# KiCad board hologram v3.kicad_pcb (continued)
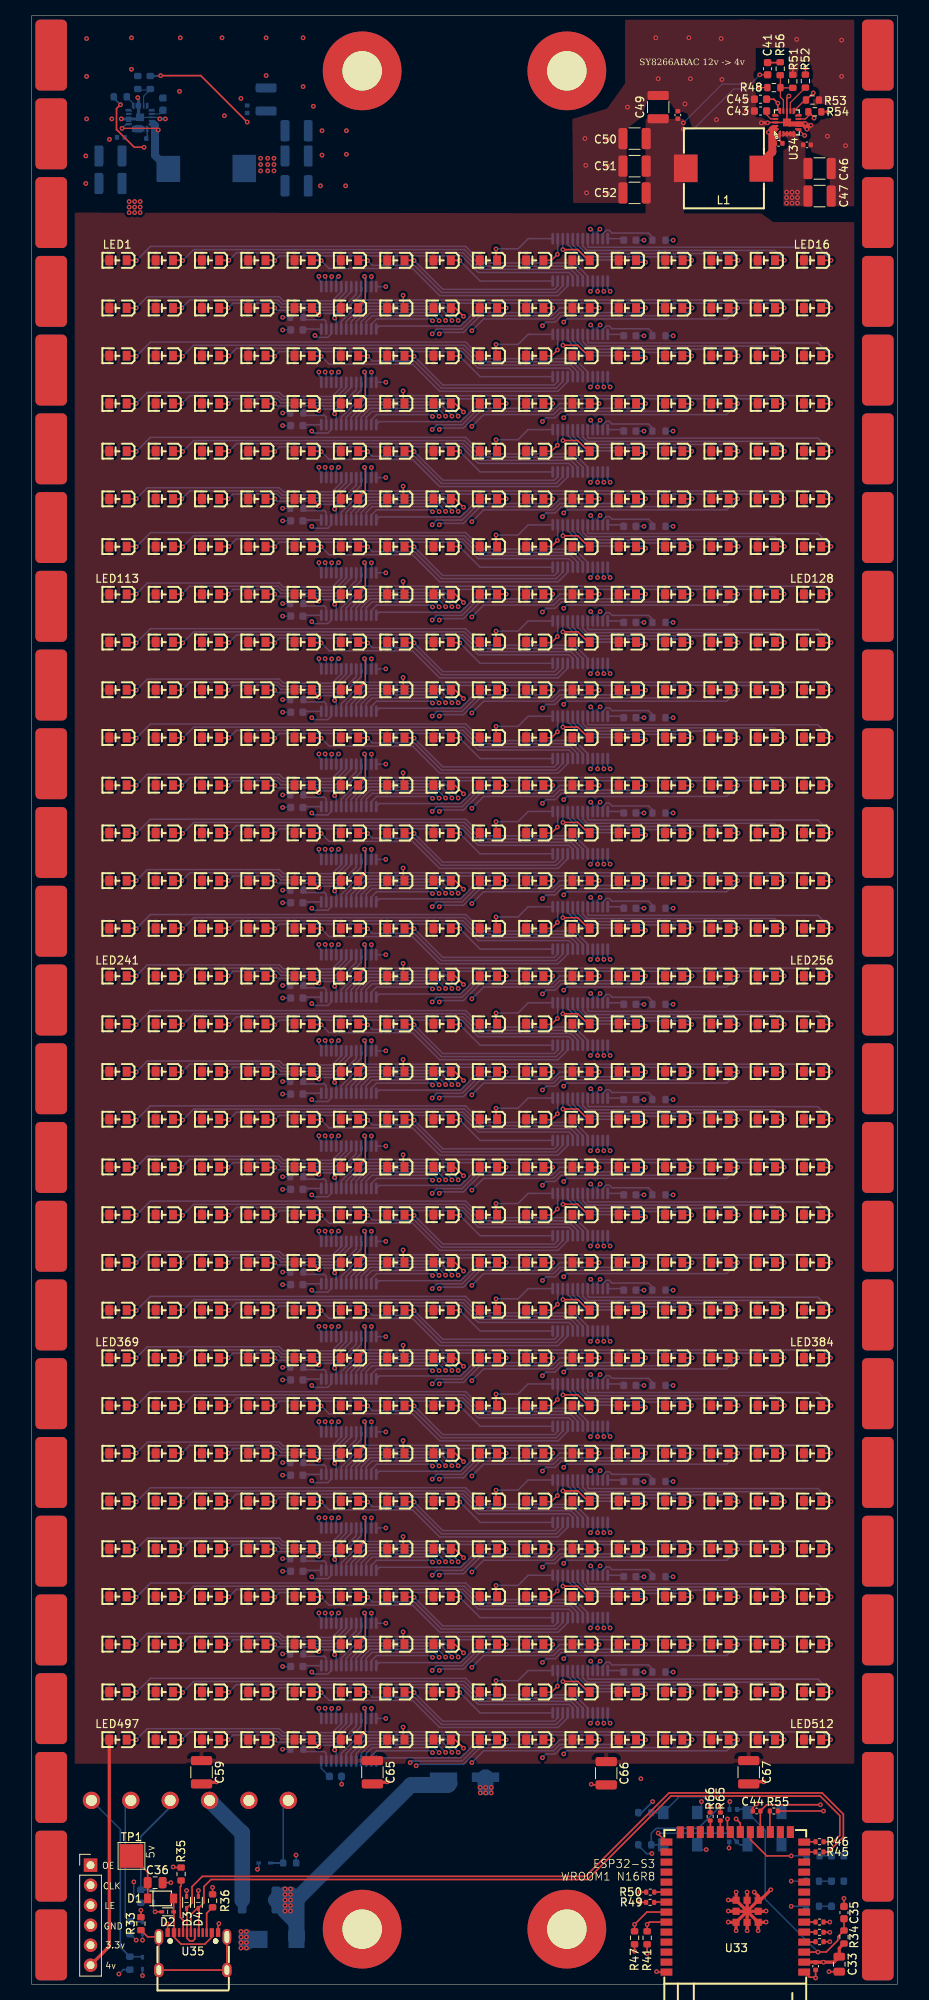
[diagram p0: board, top side]
## Routing (per net, layer and track width the routed paths; a pad name or vN(x,y) marks a point on that pad's centre or on a via; arc(x,y) is an arc through that point) (continued)
Net-(LED252-K): length 41.1
  Top w0.2: v1(78,128.05) 77.98,128.03 76.64,128.03
  In4.Cu w0.2: v1(55.93,125.15) 53.8,125.15 52.6,126.35 v1(52.6,126.45)
  Bottom w0.2: v1(52.6,126.45) 51.6,127.45 43.03,127.45 41.89,126.31 U16.16 ; v1(55.93,125.15) 57.43,126.65 66.3,126.65 67.1,127.45 77.4,127.45 v1(78,128.05)
Net-(LED253-K): length 47.5
  Top w0.2: v1(83.9,128.05) 83.88,128.03 82.52,128.03
  In4.Cu w0.2: v1(64.9,125.78) 64.85,125.83 53.97,125.83 53.4,126.4 v1(53.4,126.45)
  Bottom w0.2: v1(64.9,125.78) 65.38,126.25 66.5,126.25 67.3,127.05 82.9,127.05 v1(83.9,128.05) ; U16.17 41.25,126.31 42.79,127.85 52.1,127.85 53.42,126.53 53.42,126.48 v1(53.4,126.45)
Net-(LED254-K): length 53.8
  Top w0.2: 88.4,128.03 89.68,128.03 v1(89.7,128.05)
  In4.Cu w0.2: v1(67.6,126.25) 67.48,126.38 54.28,126.38 v1(54.2,126.45)
  Bottom w0.2: v1(89.7,128.05) 88.3,126.65 68,126.65 v1(67.6,126.25) ; v1(54.2,126.45) 54.2,126.55 52.5,128.25 42.56,128.25 40.62,126.31 U16.18
Net-(LED255-K): length 59.1
  Top w0.2: 94.29,128.03 95.58,128.03 v1(95.6,128.05)
  Bottom w0.2: v1(95.6,128.05) 95,128.65 42.32,128.65 39.98,126.31 U16.19
Net-(LED256-K): length 66
  Top w0.2: v1(101.5,128.05) 101.48,128.03 100.17,128.03
  Bottom w0.2: v1(101.5,128.05) 100.5,129.05 42.09,129.05 39.35,126.31 U16.20
Net-(LED257-K): length 61.7
  Top w0.2: v1(13.3,121.85) 13.26,121.89 11.93,121.89
  Bottom w0.2: U17.5 70.65,119.88 68.98,121.55 57.25,121.55 55.15,123.65 15.1,123.65 v1(13.3,121.85)
Net-(LED258-K): length 54.8
  Top w0.2: v1(19.2,121.85) 19.16,121.89 17.81,121.89
  Bottom w0.2: v1(19.2,121.85) 20.6,123.25 54.98,123.25 57.09,121.15 68.74,121.15 70.02,119.87 U17.6
Net-(LED259-K): length 47.9
  Top w0.2: v1(25.06,121.89) 23.7,121.89
  Bottom w0.2: U17.7 69.38,119.88 68.51,120.75 56.92,120.75 54.82,122.85 26.02,122.85 v1(25.06,121.89)
Net-(LED260-K): length 41.1
  Top w0.2: v1(30.9,121.85) 30.86,121.89 29.58,121.89
  Bottom w0.2: v1(30.9,121.85) 31.5,122.45 54.65,122.45 56.75,120.35 68.27,120.35 68.75,119.87 U17.8
Net-(LED261-K): length 35.6
  Top w0.2: v1(36.8,121.85) 36.76,121.89 35.46,121.89
  Bottom w0.2: v1(36.8,121.85) 37.8,120.85 48.4,120.85 51.84,117.41 66.88,117.41 68.11,118.64 U17.9
Net-(LED262-K): length 28.8
  Top w0.2: 41.34,121.89 42.66,121.89 v1(42.7,121.85)
  Bottom w0.2: v1(42.7,121.85) 43.3,121.25 48.63,121.25 52.07,117.81 66.64,117.81 67.48,118.65 U17.10
Net-(LED263-K): length 21.9
  Top w0.2: v1(48.6,121.85) 48.56,121.89 47.23,121.89
  Bottom w0.2: U17.11 66.84,118.64 66.41,118.21 52.24,118.21 v1(48.6,121.85)
Net-(LED264-K): length 14.2
  Top w0.2: v1(54.4,121.85) 54.36,121.89 53.11,121.89
  Bottom w0.2: v1(54.4,121.85) 56.99,119.26 U17.12
Net-(LED265-K): length 9.2
  Top w0.2: v1(59,123.35) 59,121.9 58.99,121.89
  Bottom w0.2: v1(59,123.35) 61.8,123.35 63.09,124.64 U17.13
Net-(LED266-K): length 4.2
  Top w0.2: 64.87,121.89 66.04,121.89 v1(66.8,122.65)
  Bottom w0.2: v1(66.8,122.65) 66.8,122.75 66.84,122.79 U17.14
Net-(LED267-K): length 5.9
  Top w0.2: v1(67.5,123.25) 69.4,123.25 70.76,121.89
  Bottom w0.2: v1(67.5,123.25) 67.5,124.62 U17.15 67.48,123.97
Net-(LED268-K): length 13.1
  Top w0.2: 76.64,121.89 76.88,121.65 v1(78,121.65)
  Bottom w0.2: U17.16 68.11,123.92 70.09,121.95 77.9,121.95 78,121.85 v1(78,121.65)
Net-(LED269-K): length 18.1
  Top w0.2: v1(83.86,121.89) 82.52,121.89
  Bottom w0.2: U17.17 68.75,123.85 70.25,122.35 83.4,122.35 v1(83.86,121.89)
Net-(LED270-K): length 23.4
  Top w0.2: v1(89.76,121.89) 88.4,121.89
  Bottom w0.2: v1(89.76,121.89) 88.9,122.75 70.42,122.75 69.38,123.79 U17.18
Net-(LED271-K): length 28.7
  Top w0.2: v1(95.64,121.89) 94.29,121.89
  Bottom w0.2: U17.19 70.02,123.71 70.58,123.15 94.38,123.15 v1(95.64,121.89)
Net-(LED272-K): length 34
  Top w0.2: v1(101.56,121.89) 100.17,121.89
  Bottom w0.2: v1(101.56,121.89) 99.9,123.55 70.75,123.55 70.65,123.65 U17.20
Net-(LED273-K): length 29.3
  Top w0.2: 11.93,115.83 13.28,115.83 v1(13.3,115.85)
  Bottom w0.2: U18.5 39.35,117.9 38.2,116.75 31.98,116.75 31.48,117.25 14.7,117.25 v1(13.3,115.85)
Net-(LED274-K): length 24.1
  Top w0.2: 17.81,115.83 19.08,115.83 v1(19.1,115.85)
  Bottom w0.2: v1(19.1,115.85) 20.1,116.85 30.48,116.85 30.48,116.85 31.32,116.85 31.82,116.35 38.41,116.35 39.98,117.92 U18.6
Net-(LED275-K): length 18.8
  Top w0.2: 23.7,115.83 24.98,115.83 v1(25,115.85)
  Bottom w0.2: v1(25,115.85) 25.6,116.45 30.65,116.45 30.65,116.45 31.15,116.45 31.65,115.95 38.64,115.95 40.62,117.93 U18.7
Net-(LED276-K): length 13.6
  Top w0.2: 29.58,115.83 30.88,115.83 v1(30.9,115.85)
  Bottom w0.2: U18.8 41.25,117.59 39.21,115.55 31.2,115.55 v1(30.9,115.85)
Net-(LED277-K): length 8.8
  Top w0.2: v1(36.5,114.95) 35.62,115.83 35.46,115.83
  Bottom w0.2: v1(36.5,114.95) 36.7,115.15 39.45,115.15 41.89,117.59 U18.9
Net-(LED278-K): length 5.9
  Top w0.2: v1(42.3,119.85) 42.4,119.75 42.4,116.89 41.34,115.83
  Bottom w0.2: U18.10 42.52,119.63 v1(42.3,119.85)
Net-(LED279-K): length 8.2
  Top w0.2: v1(47.2,117.45) 47.23,117.43 47.23,115.83
  In4.Cu w0.2: v1(47.2,117.45) 45.2,117.45 43.18,119.48 v1(43.18,119.83)
  Bottom w0.2: v1(43.18,119.83) 43.2,119.8 43.2,118.58 U18.11
Net-(LED280-K): length 14.9
  Top w0.2: v1(54.88,114.78) 53.82,115.83 53.11,115.83
  In4.Cu w0.2: v1(54.88,114.78) 51.1,118.55 v1(45,118.55)
  Bottom w0.2: U18.12 43.8,118.55 v1(45,118.55)
Net-(LED281-K): length 18.9
  Top w0.2: 58.99,115.83 60.28,115.83 v1(60.3,115.85)
  Bottom w0.2: U18.13 44.18,113.55 51.53,113.55 51.53,113.55 52.03,113.55 52.03,113.55 54.5,113.55 56.8,115.85 v1(60.3,115.85)
Net-(LED282-K): length 28.6
  Top w0.2: 64.87,115.83 66.18,115.83 v1(66.2,115.85)
  In4.Cu w0.2: v1(50.9,112.55) 50.9,114.18 v1(50.94,114.22)
  Bottom w0.2: v1(66.2,115.85) 66.2,115.55 65.9,115.25 56.8,115.25 54.7,113.15 51.5,113.15 v1(50.9,112.55) ; v1(50.94,114.22) 50.71,114.45 43.83,114.45 43.16,113.78 U18.14
Net-(LED283-K): length 35.5
  Top w0.2: v1(72.1,115.85) 72.08,115.83 70.76,115.83
  In4.Cu w0.2: v1(51.78,114.23) 51.8,114.2 v1(51.8,112.55)
  Bottom w0.2: v1(51.8,112.55) 51.98,112.73 54.87,112.73 56.97,114.83 56.97,114.85 66.1,114.85 67.1,115.85 v1(72.1,115.85) ; U18.15 42.52,114.11 43.26,114.85 51.15,114.85 v1(51.78,114.23)
Net-(LED284-K): length 41.1
  Top w0.2: 76.64,115.83 77.98,115.83 v1(78,115.85)
  In4.Cu w0.2: v1(55.93,112.95) 53.8,112.95 52.6,114.15 v1(52.6,114.25)
  Bottom w0.2: v1(52.6,114.25) 51.6,115.25 43.03,115.25 41.89,114.11 U18.16 ; v1(78,115.85) 77.4,115.25 67.1,115.25 66.3,114.45 57.43,114.45 v1(55.93,112.95)
Net-(LED285-K): length 47.5
  Top w0.2: 82.52,115.83 83.88,115.83 v1(83.9,115.85)
  In4.Cu w0.2: v1(53.4,114.25) 53.4,114.2 53.97,113.63 64.85,113.63 v1(64.9,113.58)
  Bottom w0.2: v1(64.9,113.58) 65.38,114.05 66.5,114.05 67.3,114.85 82.9,114.85 v1(83.9,115.85) ; U18.17 41.25,114.11 42.79,115.65 52.1,115.65 53.42,114.33 53.42,114.28 v1(53.4,114.25)
Net-(LED286-K): length 53.8
  Top w0.2: v1(89.7,115.85) 89.68,115.83 88.4,115.83
  In4.Cu w0.2: v1(54.2,114.25) 54.28,114.18 67.48,114.18 v1(67.6,114.05)
  Bottom w0.2: v1(67.6,114.05) 68,114.45 88.3,114.45 v1(89.7,115.85) ; U18.18 40.62,114.11 42.56,116.05 52.5,116.05 54.2,114.35 v1(54.2,114.25)
Net-(LED287-K): length 59.1
  Top w0.2: v1(95.6,115.85) 95.58,115.83 94.29,115.83
  Bottom w0.2: U18.19 39.98,114.11 42.32,116.45 95,116.45 v1(95.6,115.85)
Net-(LED288-K): length 66
  Top w0.2: 100.17,115.83 101.48,115.83 v1(101.5,115.85)
  Bottom w0.2: v1(101.5,115.85) 100.5,116.85 42.09,116.85 39.35,114.11 U18.20
Net-(LED289-K): length 61.7
  Top w0.2: v1(13.3,109.75) 13.26,109.79 11.93,109.79
  Bottom w0.2: U19.5 70.65,107.78 68.98,109.45 57.25,109.45 55.15,111.55 15.1,111.55 v1(13.3,109.75)
Net-(LED290-K): length 54.8
  Top w0.2: 17.81,109.79 19.16,109.79 v1(19.2,109.75)
  Bottom w0.2: U19.6 70.02,107.77 68.74,109.05 57.09,109.05 54.98,111.15 20.6,111.15 v1(19.2,109.75)
Net-(LED291-K): length 47.9
  Top w0.2: v1(25.06,109.79) 23.7,109.79
  Bottom w0.2: U19.7 69.38,107.78 68.51,108.65 56.92,108.65 54.82,110.75 26.02,110.75 v1(25.06,109.79)
Net-(LED292-K): length 41.1
  Top w0.2: v1(30.9,109.75) 30.86,109.79 29.58,109.79
  Bottom w0.2: U19.8 68.75,107.77 68.27,108.25 56.75,108.25 54.65,110.35 31.5,110.35 v1(30.9,109.75)
Net-(LED293-K): length 35.6
  Top w0.2: 35.46,109.79 36.76,109.79 v1(36.8,109.75)
  Bottom w0.2: v1(36.8,109.75) 37.8,108.75 48.4,108.75 51.84,105.31 66.88,105.31 68.11,106.54 U19.9
Net-(LED294-K): length 28.8
  Top w0.2: 41.34,109.79 42.66,109.79 v1(42.7,109.75)
  Bottom w0.2: v1(42.7,109.75) 43.3,109.15 48.63,109.15 52.07,105.71 66.64,105.71 67.48,106.55 U19.10
Net-(LED295-K): length 21.9
  Top w0.2: v1(48.6,109.75) 48.56,109.79 47.23,109.79
  Bottom w0.2: v1(48.6,109.75) 52.24,106.11 66.41,106.11 66.84,106.54 U19.11
Net-(LED296-K): length 14.2
  Top w0.2: v1(54.4,109.75) 54.36,109.79 53.11,109.79
  Bottom w0.2: U19.12 56.99,107.16 v1(54.4,109.75)
Net-(LED297-K): length 9.2
  Top w0.2: v1(59,111.25) 59,109.8 58.99,109.79
  Bottom w0.2: U19.13 63.09,112.54 61.8,111.25 v1(59,111.25)
Net-(LED298-K): length 4.2
  Top w0.2: 64.87,109.79 66.04,109.79 v1(66.8,110.55)
  Bottom w0.2: U19.14 66.84,110.69 66.8,110.65 v1(66.8,110.55)
Net-(LED299-K): length 5.9
  Top w0.2: 70.76,109.79 69.4,111.15 v1(67.5,111.15)
  Bottom w0.2: 67.48,111.87 U19.15 67.5,112.52 v1(67.5,111.15)
Net-(LED300-K): length 13.1
  Top w0.2: v1(78,109.55) 76.88,109.55 76.64,109.79
  Bottom w0.2: U19.16 68.11,111.82 70.09,109.85 77.9,109.85 78,109.75 v1(78,109.55)
Net-(LED301-K): length 18.1
  Top w0.2: v1(83.86,109.79) 82.52,109.79
  Bottom w0.2: v1(83.86,109.79) 83.4,110.25 70.25,110.25 68.75,111.75 U19.17
Net-(LED302-K): length 23.4
  Top w0.2: v1(89.76,109.79) 88.4,109.79
  Bottom w0.2: U19.18 69.38,111.69 70.42,110.65 88.9,110.65 v1(89.76,109.79)
Net-(LED303-K): length 28.7
  Top w0.2: v1(95.64,109.79) 94.29,109.79
  Bottom w0.2: U19.19 70.02,111.61 70.58,111.05 94.38,111.05 v1(95.64,109.79)
Net-(LED304-K): length 34
  Top w0.2: v1(101.56,109.79) 100.17,109.79
  Bottom w0.2: U19.20 70.65,111.55 70.75,111.45 99.9,111.45 v1(101.56,109.79)
Net-(LED305-K): length 29.3
  Top w0.2: v1(13.3,103.75) 13.28,103.73 11.93,103.73
  Bottom w0.2: U20.5 39.35,105.8 38.2,104.65 31.98,104.65 31.48,105.15 14.7,105.15 v1(13.3,103.75)
Net-(LED306-K): length 24.1
  Top w0.2: 17.81,103.73 19.08,103.73 v1(19.1,103.75)
  Bottom w0.2: v1(19.1,103.75) 20.1,104.75 30.48,104.75 30.48,104.75 31.32,104.75 31.82,104.25 38.41,104.25 39.98,105.82 U20.6
Net-(LED307-K): length 18.8
  Top w0.2: 23.7,103.73 24.98,103.73 v1(25,103.75)
  Bottom w0.2: U20.7 40.62,105.83 38.64,103.85 31.65,103.85 31.15,104.35 30.65,104.35 30.65,104.35 25.6,104.35 v1(25,103.75)
Net-(LED308-K): length 13.6
  Top w0.2: v1(30.9,103.75) 30.88,103.73 29.58,103.73
  Bottom w0.2: v1(30.9,103.75) 31.2,103.45 39.21,103.45 41.25,105.49 U20.8
Net-(LED309-K): length 8.8
  Top w0.2: v1(36.5,102.85) 35.62,103.73 35.46,103.73
  Bottom w0.2: U20.9 41.89,105.49 39.45,103.05 36.7,103.05 v1(36.5,102.85)
Net-(LED310-K): length 5.9
  Top w0.2: v1(42.3,107.75) 42.4,107.65 42.4,104.79 41.34,103.73
  Bottom w0.2: U20.10 42.52,107.53 v1(42.3,107.75)
Net-(LED311-K): length 8.2
  Top w0.2: v1(47.2,105.35) 47.23,105.33 47.23,103.73
  In4.Cu w0.2: v1(43.18,107.73) 43.18,107.38 45.2,105.35 v1(47.2,105.35)
  Bottom w0.2: v1(43.18,107.73) 43.2,107.7 43.2,106.48 U20.11
Net-(LED312-K): length 14.9
  Top w0.2: v1(54.88,102.68) 53.82,103.73 53.11,103.73
  In4.Cu w0.2: v1(54.88,102.68) 51.1,106.45 v1(45,106.45)
  Bottom w0.2: v1(45,106.45) 43.8,106.45 U20.12
Net-(LED313-K): length 18.9
  Top w0.2: v1(60.3,103.75) 60.28,103.73 58.99,103.73
  Bottom w0.2: v1(60.3,103.75) 56.8,103.75 54.5,101.45 52.03,101.45 52.03,101.45 51.53,101.45 51.53,101.45 44.18,101.45 U20.13
Net-(LED314-K): length 28.6
  Top w0.2: 64.87,103.73 66.18,103.73 v1(66.2,103.75)
  In4.Cu w0.2: v1(50.94,102.12) 50.9,102.08 v1(50.9,100.45)
  Bottom w0.2: v1(66.2,103.75) 66.2,103.45 65.9,103.15 56.8,103.15 54.7,101.05 51.5,101.05 v1(50.9,100.45) ; v1(50.94,102.12) 50.71,102.35 43.83,102.35 43.16,101.68 U20.14
Net-(LED315-K): length 35.5
  Top w0.2: 70.76,103.73 72.08,103.73 v1(72.1,103.75)
  In4.Cu w0.2: v1(51.78,102.13) 51.8,102.1 v1(51.8,100.45)
  Bottom w0.2: v1(51.8,100.45) 51.98,100.63 54.87,100.63 56.97,102.73 56.97,102.75 66.1,102.75 67.1,103.75 v1(72.1,103.75) ; U20.15 42.52,102.01 43.26,102.75 51.15,102.75 v1(51.78,102.13)
Net-(LED316-K): length 41.1
  Top w0.2: v1(78,103.75) 77.98,103.73 76.64,103.73
  In4.Cu w0.2: v1(52.6,102.15) 52.6,102.05 53.8,100.85 v1(55.93,100.85)
  Bottom w0.2: U20.16 41.89,102.01 43.03,103.15 51.6,103.15 v1(52.6,102.15) ; v1(55.93,100.85) 57.43,102.35 66.3,102.35 67.1,103.15 77.4,103.15 v1(78,103.75)
Net-(LED317-K): length 47.5
  Top w0.2: 82.52,103.73 83.88,103.73 v1(83.9,103.75)
  In4.Cu w0.2: v1(64.9,101.48) 64.85,101.53 53.97,101.53 53.4,102.1 v1(53.4,102.15)
  Bottom w0.2: v1(83.9,103.75) 82.9,102.75 67.3,102.75 66.5,101.95 65.38,101.95 v1(64.9,101.48) ; v1(53.4,102.15) 53.42,102.18 53.42,102.23 52.1,103.55 42.79,103.55 41.25,102.01 U20.17
Net-(LED318-K): length 53.8
  Top w0.2: 88.4,103.73 89.68,103.73 v1(89.7,103.75)
  In4.Cu w0.2: v1(67.6,101.95) 67.48,102.08 54.28,102.08 v1(54.2,102.15)
  Bottom w0.2: v1(67.6,101.95) 68,102.35 88.3,102.35 v1(89.7,103.75) ; U20.18 40.62,102.01 42.56,103.95 52.5,103.95 54.2,102.25 v1(54.2,102.15)
Net-(LED319-K): length 59.1
  Top w0.2: 94.29,103.73 95.58,103.73 v1(95.6,103.75)
  Bottom w0.2: U20.19 39.98,102.01 42.32,104.35 95,104.35 v1(95.6,103.75)
Net-(LED320-K): length 66
  Top w0.2: v1(101.5,103.75) 101.48,103.73 100.17,103.73
  Bottom w0.2: U20.20 39.35,102.01 42.09,104.75 100.5,104.75 v1(101.5,103.75)
Net-(LED321-K): length 61.7
  Top w0.2: 11.93,97.69 13.26,97.69 v1(13.3,97.65)
  Bottom w0.2: v1(13.3,97.65) 15.1,99.45 55.15,99.45 57.25,97.35 68.98,97.35 70.65,95.68 U21.5
Net-(LED322-K): length 54.8
  Top w0.2: 17.81,97.69 19.16,97.69 v1(19.2,97.65)
  Bottom w0.2: U21.6 70.02,95.67 68.74,96.95 57.09,96.95 54.98,99.05 20.6,99.05 v1(19.2,97.65)
Net-(LED323-K): length 47.9
  Top w0.2: v1(25.06,97.69) 23.7,97.69
  Bottom w0.2: v1(25.06,97.69) 26.02,98.65 54.82,98.65 56.92,96.55 68.51,96.55 69.38,95.68 U21.7
Net-(LED324-K): length 41.1
  Top w0.2: v1(30.9,97.65) 30.86,97.69 29.58,97.69
  Bottom w0.2: U21.8 68.75,95.67 68.27,96.15 56.75,96.15 54.65,98.25 31.5,98.25 v1(30.9,97.65)
Net-(LED325-K): length 35.6
  Top w0.2: v1(36.8,97.65) 36.76,97.69 35.46,97.69
  Bottom w0.2: U21.9 68.11,94.44 66.88,93.21 51.84,93.21 48.4,96.65 37.8,96.65 v1(36.8,97.65)
Net-(LED326-K): length 28.8
  Top w0.2: 41.34,97.69 42.66,97.69 v1(42.7,97.65)
  Bottom w0.2: U21.10 67.48,94.45 66.64,93.61 52.07,93.61 48.63,97.05 43.3,97.05 v1(42.7,97.65)
Net-(LED327-K): length 21.9
  Top w0.2: v1(48.6,97.65) 48.56,97.69 47.23,97.69
  Bottom w0.2: v1(48.6,97.65) 52.24,94.01 66.41,94.01 66.84,94.44 U21.11
Net-(LED328-K): length 14.2
  Top w0.2: 53.11,97.69 54.36,97.69 v1(54.4,97.65)
  Bottom w0.2: v1(54.4,97.65) 56.99,95.06 U21.12
Net-(LED329-K): length 9.2
  Top w0.2: v1(59,99.15) 59,97.7 58.99,97.69
  Bottom w0.2: v1(59,99.15) 61.8,99.15 63.09,100.44 U21.13
Net-(LED330-K): length 4.2
  Top w0.2: v1(66.8,98.45) 66.04,97.69 64.87,97.69
  Bottom w0.2: v1(66.8,98.45) 66.8,98.55 66.84,98.59 U21.14
Net-(LED331-K): length 5.9
  Top w0.2: v1(67.5,99.05) 69.4,99.05 70.76,97.69
  Bottom w0.2: 67.48,99.77 U21.15 67.5,100.42 v1(67.5,99.05)
Net-(LED332-K): length 13.1
  Top w0.2: 76.64,97.69 76.88,97.45 v1(78,97.45)
  Bottom w0.2: v1(78,97.45) 78,97.65 77.9,97.75 70.09,97.75 68.11,99.72 U21.16
Net-(LED333-K): length 18.1
  Top w0.2: v1(83.86,97.69) 82.52,97.69
  Bottom w0.2: v1(83.86,97.69) 83.4,98.15 70.25,98.15 68.75,99.65 U21.17
Net-(LED334-K): length 23.4
  Top w0.2: v1(89.76,97.69) 88.4,97.69
  Bottom w0.2: v1(89.76,97.69) 88.9,98.55 70.42,98.55 69.38,99.59 U21.18
Net-(LED335-K): length 28.7
  Top w0.2: v1(95.64,97.69) 94.29,97.69
  Bottom w0.2: U21.19 70.02,99.51 70.58,98.95 94.38,98.95 v1(95.64,97.69)
Net-(LED336-K): length 34
  Top w0.2: v1(101.56,97.69) 100.17,97.69
  Bottom w0.2: v1(101.56,97.69) 99.9,99.35 70.75,99.35 70.65,99.45 U21.20
Net-(LED337-K): length 29.3
  Top w0.2: 11.93,91.63 13.28,91.63 v1(13.3,91.65)
  Bottom w0.2: U22.5 39.35,93.7 38.2,92.55 31.98,92.55 31.48,93.05 14.7,93.05 v1(13.3,91.65)
Net-(LED338-K): length 24.1
  Top w0.2: 17.81,91.63 19.08,91.63 v1(19.1,91.65)
  Bottom w0.2: U22.6 39.98,93.72 38.41,92.15 31.82,92.15 31.32,92.65 30.48,92.65 30.48,92.65 20.1,92.65 v1(19.1,91.65)
Net-(LED339-K): length 18.8
  Top w0.2: 23.7,91.63 24.98,91.63 v1(25,91.65)
  Bottom w0.2: U22.7 40.62,93.73 38.64,91.75 31.65,91.75 31.15,92.25 30.65,92.25 30.65,92.25 25.6,92.25 v1(25,91.65)
Net-(LED340-K): length 13.6
  Top w0.2: 29.58,91.63 30.88,91.63 v1(30.9,91.65)
  Bottom w0.2: U22.8 41.25,93.39 39.21,91.35 31.2,91.35 v1(30.9,91.65)
Net-(LED341-K): length 8.8
  Top w0.2: 35.46,91.63 35.62,91.63 v1(36.5,90.75)
  Bottom w0.2: v1(36.5,90.75) 36.7,90.95 39.45,90.95 41.89,93.39 U22.9
Net-(LED342-K): length 5.9
  Top w0.2: 41.34,91.63 42.4,92.69 42.4,95.55 v1(42.3,95.65)
  Bottom w0.2: U22.10 42.52,95.43 v1(42.3,95.65)
Net-(LED343-K): length 8.2
  Top w0.2: v1(47.2,93.25) 47.23,93.23 47.23,91.63
  In4.Cu w0.2: v1(43.18,95.63) 43.18,95.28 45.2,93.25 v1(47.2,93.25)
  Bottom w0.2: v1(43.18,95.63) 43.2,95.6 43.2,94.38 U22.11
Net-(LED344-K): length 14.9
  Top w0.2: 53.11,91.63 53.82,91.63 v1(54.88,90.58)
  In4.Cu w0.2: v1(54.88,90.58) 51.1,94.35 v1(45,94.35)
  Bottom w0.2: v1(45,94.35) 43.8,94.35 U22.12
Net-(LED345-K): length 18.9
  Top w0.2: 58.99,91.63 60.28,91.63 v1(60.3,91.65)
  Bottom w0.2: v1(60.3,91.65) 56.8,91.65 54.5,89.35 52.03,89.35 52.03,89.35 51.53,89.35 51.53,89.35 44.18,89.35 U22.13
Net-(LED346-K): length 28.6
  Top w0.2: 64.87,91.63 66.18,91.63 v1(66.2,91.65)
  In4.Cu w0.2: v1(50.9,88.35) 50.9,89.98 v1(50.94,90.02)
  Bottom w0.2: U22.14 43.16,89.58 43.83,90.25 50.71,90.25 v1(50.94,90.02) ; v1(50.9,88.35) 51.5,88.95 54.7,88.95 56.8,91.05 65.9,91.05 66.2,91.35 v1(66.2,91.65)
Net-(LED347-K): length 35.5
  Top w0.2: v1(72.1,91.65) 72.08,91.63 70.76,91.63
  In4.Cu w0.2: v1(51.8,88.35) 51.8,90 v1(51.78,90.03)
  Bottom w0.2: v1(51.78,90.03) 51.15,90.65 43.26,90.65 42.52,89.91 U22.15 ; v1(51.8,88.35) 51.98,88.53 54.87,88.53 56.97,90.63 56.97,90.65 66.1,90.65 67.1,91.65 v1(72.1,91.65)
Net-(LED348-K): length 41.1
  Top w0.2: 76.64,91.63 77.98,91.63 v1(78,91.65)
  In4.Cu w0.2: v1(52.6,90.05) 52.6,89.95 53.8,88.75 v1(55.93,88.75)
  Bottom w0.2: v1(78,91.65) 77.4,91.05 67.1,91.05 66.3,90.25 57.43,90.25 v1(55.93,88.75) ; v1(52.6,90.05) 51.6,91.05 43.03,91.05 41.89,89.91 U22.16
Net-(LED349-K): length 47.5
  Top w0.2: v1(83.9,91.65) 83.88,91.63 82.52,91.63
  In4.Cu w0.2: v1(64.9,89.38) 64.85,89.43 53.97,89.43 53.4,90 v1(53.4,90.05)
  Bottom w0.2: v1(64.9,89.38) 65.38,89.85 66.5,89.85 67.3,90.65 82.9,90.65 v1(83.9,91.65) ; U22.17 41.25,89.91 42.79,91.45 52.1,91.45 53.42,90.13 53.42,90.08 v1(53.4,90.05)
Net-(LED350-K): length 53.8
  Top w0.2: 88.4,91.63 89.68,91.63 v1(89.7,91.65)
  In4.Cu w0.2: v1(54.2,90.05) 54.28,89.98 67.48,89.98 v1(67.6,89.85)
  Bottom w0.2: U22.18 40.62,89.91 42.56,91.85 52.5,91.85 54.2,90.15 v1(54.2,90.05) ; v1(67.6,89.85) 68,90.25 88.3,90.25 v1(89.7,91.65)
Net-(LED351-K): length 59.1
  Top w0.2: v1(95.6,91.65) 95.58,91.63 94.29,91.63
  Bottom w0.2: v1(95.6,91.65) 95,92.25 42.32,92.25 39.98,89.91 U22.19
Net-(LED352-K): length 66
  Top w0.2: 100.17,91.63 101.48,91.63 v1(101.5,91.65)
  Bottom w0.2: U22.20 39.35,89.91 42.09,92.65 100.5,92.65 v1(101.5,91.65)
Net-(LED353-K): length 61.7
  Top w0.2: v1(13.3,85.55) 13.26,85.59 11.93,85.59
  Bottom w0.2: v1(13.3,85.55) 15.1,87.35 55.15,87.35 57.25,85.25 68.98,85.25 70.65,83.58 U23.5
Net-(LED354-K): length 54.8
  Top w0.2: v1(19.2,85.55) 19.16,85.59 17.81,85.59
  Bottom w0.2: U23.6 70.02,83.57 68.74,84.85 57.09,84.85 54.98,86.95 20.6,86.95 v1(19.2,85.55)
Net-(LED355-K): length 47.9
  Top w0.2: v1(25.06,85.59) 23.7,85.59
  Bottom w0.2: U23.7 69.38,83.58 68.51,84.45 56.92,84.45 54.82,86.55 26.02,86.55 v1(25.06,85.59)
Net-(LED356-K): length 41.1
  Top w0.2: 29.58,85.59 30.86,85.59 v1(30.9,85.55)
  Bottom w0.2: v1(30.9,85.55) 31.5,86.15 54.65,86.15 56.75,84.05 68.27,84.05 68.75,83.57 U23.8
Net-(LED357-K): length 35.6
  Top w0.2: v1(36.8,85.55) 36.76,85.59 35.46,85.59
  Bottom w0.2: v1(36.8,85.55) 37.8,84.55 48.4,84.55 51.84,81.11 66.88,81.11 68.11,82.34 U23.9
Net-(LED358-K): length 28.8
  Top w0.2: v1(42.7,85.55) 42.66,85.59 41.34,85.59
  Bottom w0.2: U23.10 67.48,82.35 66.64,81.51 52.07,81.51 48.63,84.95 43.3,84.95 v1(42.7,85.55)
Net-(LED359-K): length 21.9
  Top w0.2: v1(48.6,85.55) 48.56,85.59 47.23,85.59
  Bottom w0.2: U23.11 66.84,82.34 66.41,81.91 52.24,81.91 v1(48.6,85.55)
Net-(LED360-K): length 14.2
  Top w0.2: v1(54.4,85.55) 54.36,85.59 53.11,85.59
  Bottom w0.2: v1(54.4,85.55) 56.99,82.96 U23.12
Net-(LED361-K): length 9.2
  Top w0.2: 58.99,85.59 59,85.6 v1(59,87.05)
  Bottom w0.2: U23.13 63.09,88.34 61.8,87.05 v1(59,87.05)
Net-(LED362-K): length 4.2
  Top w0.2: v1(66.8,86.35) 66.04,85.59 64.87,85.59
  Bottom w0.2: v1(66.8,86.35) 66.8,86.45 66.84,86.49 U23.14
Net-(LED363-K): length 5.9
  Top w0.2: v1(67.5,86.95) 69.4,86.95 70.76,85.59
  Bottom w0.2: 67.48,87.67 U23.15 67.5,88.32 v1(67.5,86.95)
Net-(LED364-K): length 13.1
  Top w0.2: 76.64,85.59 76.88,85.35 v1(78,85.35)
  Bottom w0.2: v1(78,85.35) 78,85.55 77.9,85.65 70.09,85.65 68.11,87.62 U23.16
Net-(LED365-K): length 18.1
  Top w0.2: v1(83.86,85.59) 82.52,85.59
  Bottom w0.2: v1(83.86,85.59) 83.4,86.05 70.25,86.05 68.75,87.55 U23.17
Net-(LED366-K): length 23.4
  Top w0.2: v1(89.76,85.59) 88.4,85.59
  Bottom w0.2: U23.18 69.38,87.49 70.42,86.45 88.9,86.45 v1(89.76,85.59)
Net-(LED367-K): length 28.7
  Top w0.2: v1(95.64,85.59) 94.29,85.59
  Bottom w0.2: U23.19 70.02,87.41 70.58,86.85 94.38,86.85 v1(95.64,85.59)
Net-(LED368-K): length 34
  Top w0.2: v1(101.56,85.59) 100.17,85.59
  Bottom w0.2: U23.20 70.65,87.35 70.75,87.25 99.9,87.25 v1(101.56,85.59)
Net-(LED369-K): length 29.3
  Top w0.2: v1(13.3,79.55) 13.28,79.53 11.93,79.53
  Bottom w0.2: v1(13.3,79.55) 14.7,80.95 31.48,80.95 31.98,80.45 38.2,80.45 39.35,81.6 U24.5
Net-(LED370-K): length 24.1
  Top w0.2: v1(19.1,79.55) 19.08,79.53 17.81,79.53
  Bottom w0.2: U24.6 39.98,81.62 38.41,80.05 31.82,80.05 31.32,80.55 30.48,80.55 30.48,80.55 20.1,80.55 v1(19.1,79.55)
Net-(LED371-K): length 18.8
  Top w0.2: 23.7,79.53 24.98,79.53 v1(25,79.55)
  Bottom w0.2: U24.7 40.62,81.63 38.64,79.65 31.65,79.65 31.15,80.15 30.65,80.15 30.65,80.15 25.6,80.15 v1(25,79.55)
Net-(LED372-K): length 13.6
  Top w0.2: v1(30.9,79.55) 30.88,79.53 29.58,79.53
  Bottom w0.2: v1(30.9,79.55) 31.2,79.25 39.21,79.25 41.25,81.29 U24.8
Net-(LED373-K): length 8.8
  Top w0.2: 35.46,79.53 35.62,79.53 v1(36.5,78.65)
  Bottom w0.2: U24.9 41.89,81.29 39.45,78.85 36.7,78.85 v1(36.5,78.65)
Net-(LED374-K): length 5.9
  Top w0.2: v1(42.3,83.55) 42.4,83.45 42.4,80.59 41.34,79.53
  Bottom w0.2: U24.10 42.52,83.33 v1(42.3,83.55)
Net-(LED375-K): length 8.2
  Top w0.2: 47.23,79.53 47.23,81.13 v1(47.2,81.15)
  In4.Cu w0.2: v1(43.18,83.53) 43.18,83.18 45.2,81.15 v1(47.2,81.15)
  Bottom w0.2: v1(43.18,83.53) 43.2,83.5 43.2,82.28 U24.11
Net-(LED376-K): length 14.9
  Top w0.2: v1(54.88,78.48) 53.82,79.53 53.11,79.53
  In4.Cu w0.2: v1(54.88,78.48) 51.1,82.25 v1(45,82.25)
  Bottom w0.2: v1(45,82.25) 43.8,82.25 U24.12
Net-(LED377-K): length 18.9
  Top w0.2: 58.99,79.53 60.28,79.53 v1(60.3,79.55)
  Bottom w0.2: U24.13 44.18,77.25 51.53,77.25 51.53,77.25 52.03,77.25 52.03,77.25 54.5,77.25 56.8,79.55 v1(60.3,79.55)
Net-(LED378-K): length 28.6
  Top w0.2: 64.87,79.53 66.18,79.53 v1(66.2,79.55)
  In4.Cu w0.2: v1(50.94,77.92) 50.9,77.88 v1(50.9,76.25)
  Bottom w0.2: U24.14 43.16,77.48 43.83,78.15 50.71,78.15 v1(50.94,77.92) ; v1(50.9,76.25) 51.5,76.85 54.7,76.85 56.8,78.95 65.9,78.95 66.2,79.25 v1(66.2,79.55)
Net-(LED379-K): length 35.5
  Top w0.2: 70.76,79.53 72.08,79.53 v1(72.1,79.55)
  In4.Cu w0.2: v1(51.8,76.25) 51.8,77.9 v1(51.78,77.93)
  Bottom w0.2: v1(72.1,79.55) 67.1,79.55 66.1,78.55 56.97,78.55 56.97,78.53 54.87,76.43 51.98,76.43 v1(51.8,76.25) ; v1(51.78,77.93) 51.15,78.55 43.26,78.55 42.52,77.81 U24.15
Net-(LED380-K): length 41.1
  Top w0.2: 76.64,79.53 77.98,79.53 v1(78,79.55)
  In4.Cu w0.2: v1(55.93,76.65) 53.8,76.65 52.6,77.85 v1(52.6,77.95)
  Bottom w0.2: v1(78,79.55) 77.4,78.95 67.1,78.95 66.3,78.15 57.43,78.15 v1(55.93,76.65) ; U24.16 41.89,77.81 43.03,78.95 51.6,78.95 v1(52.6,77.95)
Net-(LED381-K): length 47.5
  Top w0.2: 82.52,79.53 83.88,79.53 v1(83.9,79.55)
  In4.Cu w0.2: v1(64.9,77.28) 64.85,77.33 53.97,77.33 53.4,77.9 v1(53.4,77.95)
  Bottom w0.2: v1(83.9,79.55) 82.9,78.55 67.3,78.55 66.5,77.75 65.38,77.75 v1(64.9,77.28) ; v1(53.4,77.95) 53.42,77.98 53.42,78.03 52.1,79.35 42.79,79.35 41.25,77.81 U24.17
Net-(LED382-K): length 53.8
  Top w0.2: v1(89.7,79.55) 89.68,79.53 88.4,79.53
  In4.Cu w0.2: v1(67.6,77.75) 67.48,77.88 54.28,77.88 v1(54.2,77.95)
  Bottom w0.2: v1(54.2,77.95) 54.2,78.05 52.5,79.75 42.56,79.75 40.62,77.81 U24.18 ; v1(89.7,79.55) 88.3,78.15 68,78.15 v1(67.6,77.75)